# Altium PCB AMC_Single_Panel.PcbDoc (part 4 of 5) (continued)
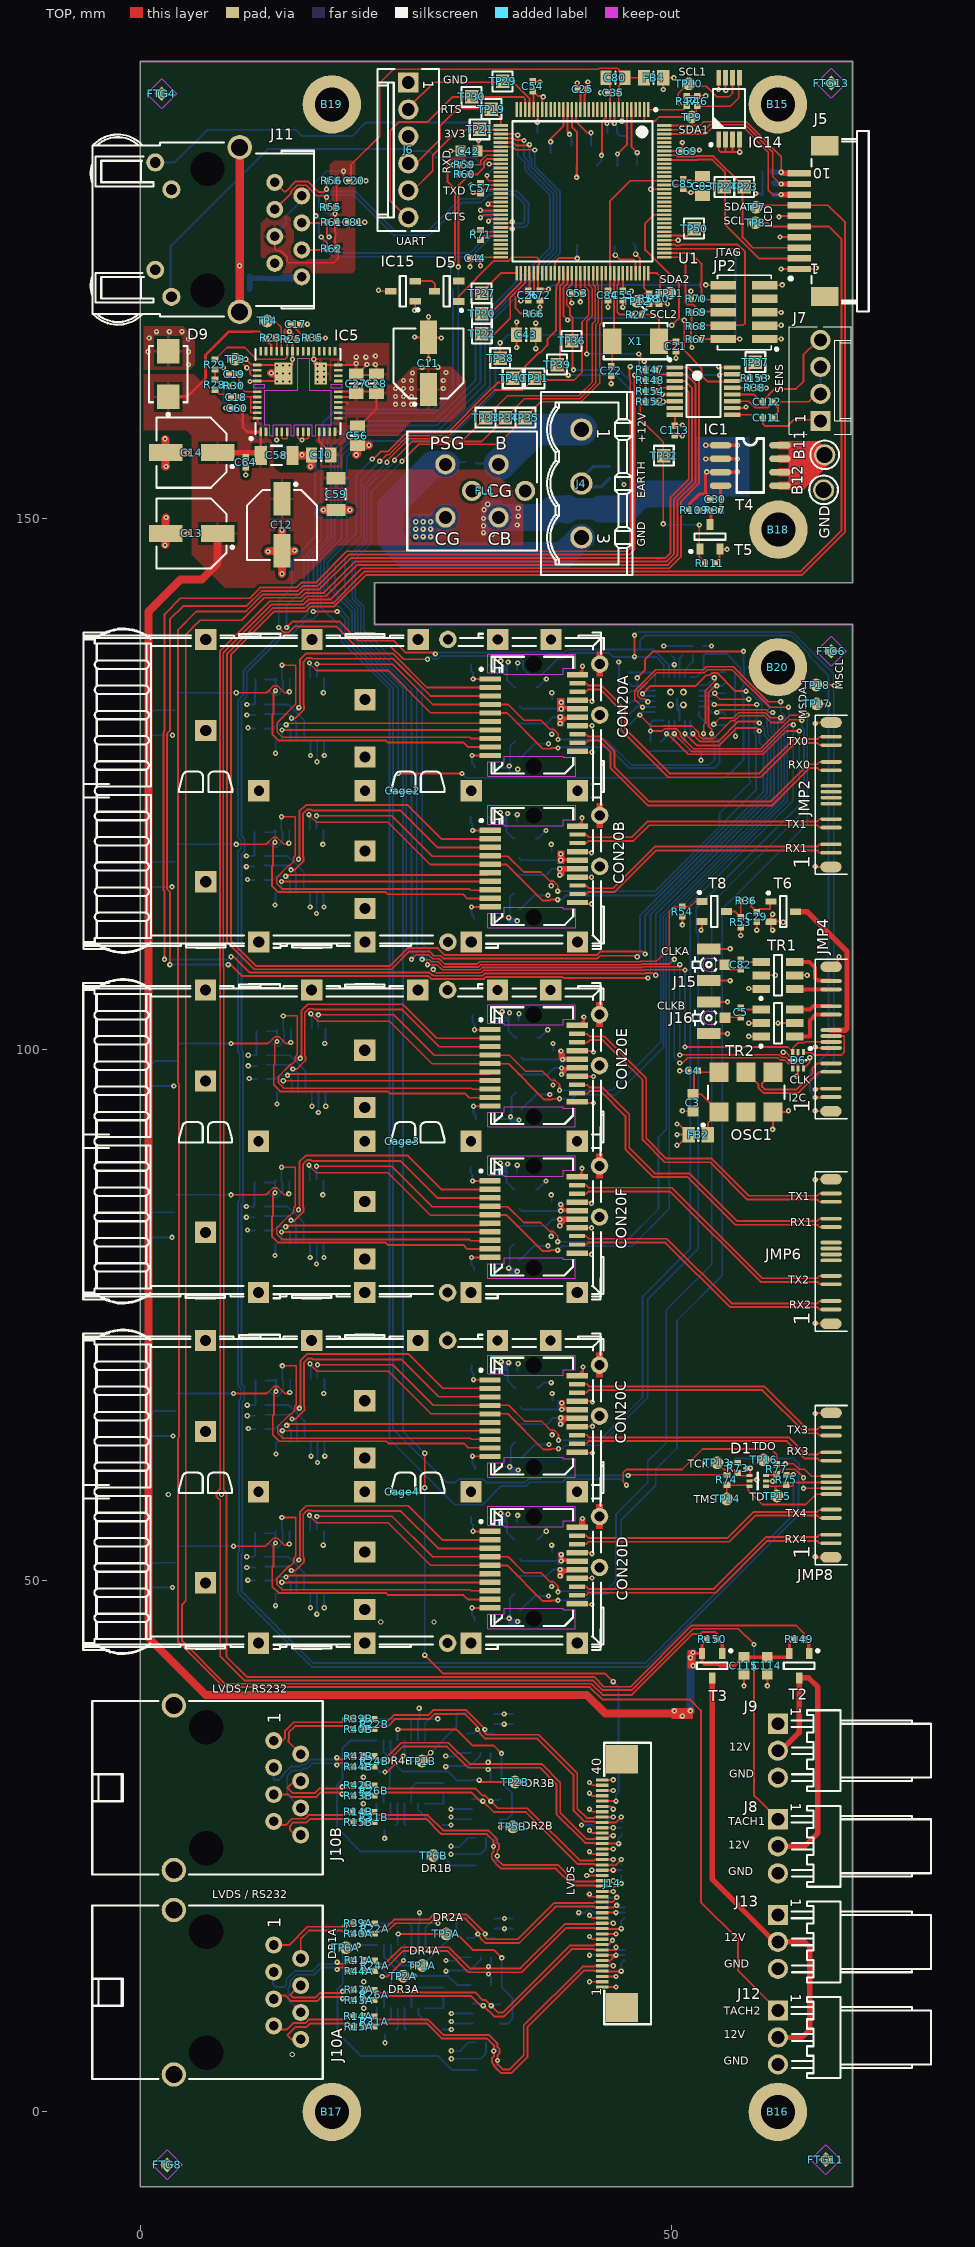
[diagram p0: TOP view]
## Nets (pads, with @x,y where several pads share a name; then routed paths per layer and width w, separated by ;. In a path a pad name is that pad's centre, name@x,y a point inside that pad or via, vN(x,y) a via of type N, cw(c..) or ccw(c..) an arc to the next point about the centre after c; other vN are vias at no path point) (continued)
  TOP w0.178: v1(12.7,133.8) 12.5,133.6 12.5,131.6 12.4,131.5 12.4,129.7 13,129.1 23.1,129.1 23.3,128.9 30.4,128.9 30.805,128.495 CON20A.9@32.9,128.495
  BTM w0.178: v1(12.7,133.8) 12.7,134.7 IC3A.9@12.8,134.8
  BTM w0.2: R51A.1@11.745,134.85 12.625,134.85 IC3A.9@12.725,134.95
RS1RB: CON20B.9 IC3B.9 R51B.1 | length 27.4
  TOP w0.178: v1(12.655,119.526) 12.455,119.326 12.455,117.326 12.355,117.226 12.355,115.426 12.955,114.826 23.055,114.826 23.255,114.626 30.355,114.626 30.76,114.221 CON20B.9@32.855,114.221
  BTM w0.152: R51B.1@11.67,120.475 12.479,120.475 IC3B.9@12.68,120.676
  BTM w0.178: v1(12.655,119.526) 12.655,120.426 IC3B.9@12.755,120.526
RS1RC: CON20C.9 IC3C.9 R51C.1 | length 27.3
  TOP w0.178: v1(12.743,67.83) 12.543,67.63 12.543,65.63 12.443,65.53 12.443,63.73 13.043,63.13 23.143,63.13 23.343,62.93 30.443,62.93 30.848,62.525 CON20C.9@32.943,62.525
  BTM w0.178: R51C.1@11.77,68.85 12.637,68.85 IC3C.9@12.768,68.98 ; v1(12.743,67.83) 12.743,68.73 IC3C.9@12.843,68.83
RS1RD: CON20D.9 IC3D.9 R51D.1 | length 27.4
  TOP w0.178: v1(12.692,53.556) 12.492,53.356 12.492,51.356 12.392,51.256 12.392,49.456 12.992,48.856 23.092,48.856 23.292,48.656 30.392,48.656 30.797,48.251 CON20D.9@32.892,48.251
  BTM w0.152: R51D.1@11.695,54.475 12.672,54.475 12.692,54.456 12.717,54.481 IC3D.9@12.717,54.706
  BTM w0.178: v1(12.692,53.556) IC3D.9@12.692,54.456
RS1RE: CON20E.9 IC3E.9 R51E.1 | length 27.4
  TOP w0.178: v1(12.83,100.776) 12.63,100.576 12.63,98.576 12.53,98.476 12.53,96.676 13.13,96.076 23.23,96.076 23.43,95.876 30.53,95.876 30.935,95.471 CON20E.9@33.03,95.471
  BTM w0.152: R51E.1@11.845,101.725 12.781,101.725 12.83,101.676 12.855,101.701 IC3E.9@12.855,101.926
  BTM w0.178: v1(12.83,100.776) IC3E.9@12.83,101.676
RS1RF: CON20F.9 IC3F.9 R51F.1 | length 27.4
  TOP w0.178: v1(12.655,86.526) 12.455,86.326 12.455,84.326 12.355,84.226 12.355,82.426 12.955,81.826 23.055,81.826 23.255,81.626 30.355,81.626 30.76,81.221 CON20F.9@32.855,81.221
  BTM w0.178: R51F.1@11.67,87.5 12.581,87.5 IC3F.9@12.655,87.426 ; v1(12.655,86.526) IC3F.9@12.655,87.426 ; IC3F.9@12.68,87.676 12.655,87.651 IC3F.9@12.655,87.426
RST: D5.1 JP2.10 R72.2 U1.70 | length 30.2
  TOP w0.178: D5.1@29.95,170.45 29.95,170.95 33.266,174.266 34.657,174.266 34.991,174.6 37.3,174.6 37.5,174.4 37.5,173.907 37.455,173.862 37.455,173.21 U1.70@37.345,173.1 ; U1.70@37.4,173.1 37.4,171.5 R72.2@37.5,171.4 ; R72.2@37.6,171.6 v1(38.4,171.6) ; v1(53.2,172) 53.235,171.965 JP2.10@54.85,171.965
  BTM w0.178: v1(38.4,171.6) 38.8,172 v1(53.2,172)
RTS: J6.2 TP29.1 U1.29 | length 14.1
  TOP w0.178: J6.2@25.4,188.6 25.4,188.853 27.622,191.075 35.078,191.075 36.6,189.553 U1.29@36.6,188.5
RXA_N: CON20A.12 JMP2.10 | length 28.9
  TOP w0.178: CON20A.12@41.1,128.895 41.939,128.895 42.161,129.117 43.108,129.117 44.25,127.975 44.25,126.497 47.747,123 59.483,123 63,126.517 63.705,126.517 63.922,126.3 JMP2.10@65.011,126.3
RXA_P: CON20A.13 JMP2.11 | length 28.9
  TOP w0.178: CON20A.13@41.1,129.695 41.939,129.695 42.161,129.473 43.255,129.473 44.606,128.122 44.606,126.644 47.894,123.356 59.336,123.356 62.853,126.873 63.705,126.873 63.922,127.09 JMP2.11@65.011,127.09
RXB_N: CON20B.12 JMP2.2 | length 25.7
  TOP w0.178: CON20B.12@41.055,114.621 CON20B.12@41.125,114.621 ; CON20B.12@41.125,114.645 41.964,114.645 42.162,114.843 44.647,114.843 48.561,118.757 63.683,118.757 63.9,118.54 JMP2.2@64.989,118.54
RXB_P: CON20B.13 JMP2.3 | length 25.7
  TOP w0.178: CON20B.13@41.055,115.421 CON20B.13@41.125,115.421 ; CON20B.13@41.125,115.445 41.964,115.445 42.21,115.199 44.5,115.199 48.414,119.113 63.683,119.113 63.9,119.33 JMP2.3@64.989,119.33
RXD: J6.4 TP19.1 U1.33 | length 12.7
  TOP w0.178: J6.4@25.2,183.43 25.93,183.43 28.2,185.7 28.2,187 29.8,188.6 32.975,188.6 33.9,187.675 U1.33@33.9,187
SCL1: IC14.6 R47.1 TP10.1 U1.1 | length 13.2
  TOP w0.152: U1.1@47.8,188.5 51.1,188.5 R47.1@51.4,188.8 ; R47.1@51.5,188.9 50.6,188.9 50.6,190 51.3,190.7 53.25,190.7 54.25,189.7 55.4,189.7 55.725,190.025 IC14.6@55.725,191.5
SCL2: R58.1 TP12.1 U1.95 | length 3.7
  TOP w0.178: TP12.1@46.725,170.45 47.445,171.17 R58.1@47.9,171.17 ; U1.95@47.4,173.1 47.4,171.7 R58.1@48,171.1
SDA1: IC14.5 R46.1 TP9.1 U1.2 | length 13
  TOP w0.152: U1.2@47.4,188.5 47.4,187.5 47.5,187.4 48.4,187.4 48.8,187.8 TP9.1@51.9,187.8 52.3,188.2 52.3,188.7 R46.1@52.4,188.8 ; R46.1@52.4,188.83 55.53,188.83 56.3,189.6 56.3,191.3 IC14.5@56.4,191.4
SDA2: R50.1 TP11.1 U1.96 | length 3.9
  TOP w0.178: U1.96@47.8,173.1 48.6,173.1 48.9,172.8 R50.1@48.9,171.2 ; R50.1@48.8,171.17 49.77,171.17 TP11.1@49.825,171.225
SFP1_TX0_N: CON20A.19 JMP2.13 | length 30
  TOP w0.178: CON20A.19@41.1,134.495 41.939,134.495 42.161,134.273 43.397,134.273 45.606,132.064 45.606,130.197 49.803,126 58.25,126 61.493,129.243 63.705,129.243 63.922,129.46 JMP2.13@65.011,129.46
SFP1_TX0_P: CON20A.18 JMP2.12 | length 30
  TOP w0.178: CON20A.18@41.1,133.695 41.939,133.695 42.161,133.917 43.25,133.917 45.25,131.917 45.25,130.05 49.656,125.644 58.397,125.644 61.64,128.887 63.705,128.887 63.922,128.67 JMP2.12@65.011,128.67
SFP2_TX1_N: CON20B.19 JMP2.5 | length 24.7
  TOP w0.178: CON20B.19@41.055,120.221 CON20B.19@41.078,120.198 ; CON20B.19@41.125,120.245 41.964,120.245 42.21,119.999 46.25,119.999 47.734,121.483 63.705,121.483 63.922,121.7 JMP2.5@65.011,121.7
SFP2_TX1_P: CON20B.18 JMP2.4 | length 24.7
  TOP w0.178: CON20B.18@41.055,119.421 CON20B.18@41.125,119.421 ; CON20B.18@41.125,119.445 41.964,119.445 42.162,119.643 46.397,119.643 47.881,121.127 63.705,121.127 63.922,120.91 JMP2.4@65.011,120.91
SFP_VCCRA: C45A.1 C46A.1 CON20A.15 FB5A.2 | length 6.9
  TOP w0.178: v1(39.5,130.7) 39.6,130.7 CON20A.15@40.195,131.295 ; v1(39.5,131.3) 39.505,131.295 CON20A.15@40.195,131.295 ; CON20A.15@41.1,131.295 CON20A.15@40.195,131.295
  BTM w0.178: FB5A.2@35.4,130.7 38.219,130.7 38.819,131.3 v1(39.5,131.3)
SFP_VCCRB: C45B.1 C46B.1 CON20B.15 FB5B.2 | length 6.9
  TOP w0.178: v1(39.455,116.426) 39.555,116.426 CON20B.15@40.15,117.021 ; v1(39.455,117.026) 39.46,117.021 CON20B.15@40.15,117.021 ; CON20B.15@41.055,117.021 CON20B.15@40.15,117.021
  BTM w0.178: FB5B.2@35.355,116.426 38.174,116.426 38.774,117.026 v1(39.455,117.026)
SFP_VCCRC: C45C.1 C46C.1 CON20C.15 FB5C.2 | length 6.9
  TOP w0.178: v1(39.543,64.73) 39.643,64.73 CON20C.15@40.238,65.325 ; v1(39.543,65.33) 39.548,65.325 CON20C.15@40.238,65.325 ; CON20C.15@41.143,65.325 CON20C.15@40.238,65.325
  BTM w0.178: FB5C.2@35.443,64.73 38.261,64.73 38.861,65.33 v1(39.543,65.33)
SFP_VCCRD: C45D.1 C46D.1 CON20D.15 FB5D.2 | length 6.9
  TOP w0.178: v1(39.492,50.456) 39.592,50.456 CON20D.15@40.187,51.051 ; v1(39.492,51.056) 39.497,51.051 CON20D.15@40.187,51.051 ; CON20D.15@41.092,51.051 CON20D.15@40.187,51.051
  BTM w0.178: FB5D.2@35.392,50.456 38.211,50.456 38.811,51.056 v1(39.492,51.056)
SFP_VCCRE: C45E.1 C46E.1 CON20E.15 FB5E.2 | length 6.9
  TOP w0.178: v1(39.63,97.676) 39.73,97.676 CON20E.15@40.325,98.271 ; v1(39.63,98.276) 39.635,98.271 CON20E.15@40.325,98.271 ; CON20E.15@41.23,98.271 CON20E.15@40.325,98.271
  BTM w0.178: FB5E.2@35.53,97.676 38.349,97.676 38.949,98.276 v1(39.63,98.276)
SFP_VCCRF: C45F.1 C46F.1 CON20F.15 FB5F.2 | length 6.9
  TOP w0.178: v1(39.455,83.426) 39.555,83.426 CON20F.15@40.15,84.021 ; v1(39.455,84.026) 39.46,84.021 CON20F.15@40.15,84.021 ; CON20F.15@41.055,84.021 CON20F.15@40.15,84.021
  BTM w0.178: FB5F.2@35.355,83.426 38.174,83.426 38.774,84.026 v1(39.455,84.026)
SFP_VCCTA: C51A.1 C52A.1 CON20A.16 FB6A.2 | length 6.4
  TOP w0.178: v1(39.6,132.1) 39.605,132.095 40.105,132.095 ; v1(39.6,132.7) 39.5,132.7 40.105,132.095 ; CON20A.16@41.1,132.095 40.105,132.095
  BTM w0.178: FB6A.2@35.7,132.3 35.9,132.1 v1(39.6,132.1)
SFP_VCCTB: C51B.1 C52B.1 CON20B.16 FB6B.2 | length 6.4
  TOP w0.178: v1(39.555,117.826) 39.56,117.821 40.06,117.821 ; v1(39.555,118.426) 39.455,118.426 40.06,117.821 ; CON20B.16@41.055,117.821 40.06,117.821
  BTM w0.178: FB6B.2@35.655,118.026 35.855,117.826 v1(39.555,117.826)
SFP_VCCTC: C51C.1 C52C.1 CON20C.16 FB6C.2 | length 6.4
  TOP w0.178: v1(39.643,66.13) 39.648,66.125 CON20C.16@40.148,66.125 ; v1(39.643,66.73) 39.543,66.73 CON20C.16@40.148,66.125 ; CON20C.16@41.143,66.125 CON20C.16@40.148,66.125
  BTM w0.178: FB6C.2@35.743,66.33 35.943,66.13 v1(39.643,66.13)
SFP_VCCTD: C51D.1 C52D.1 CON20D.16 FB6D.2 | length 6.4
  TOP w0.178: v1(39.592,51.856) 39.597,51.851 40.097,51.851 ; v1(39.592,52.456) 39.492,52.456 40.097,51.851 ; CON20D.16@41.092,51.851 40.097,51.851
  BTM w0.178: FB6D.2@35.692,52.056 35.892,51.856 v1(39.592,51.856)
SFP_VCCTE: C51E.1 C52E.1 CON20E.16 FB6E.2 | length 6.6
  TOP w0.178: v1(39.565,99.872) 39.565,99.741 CON20E.16@40.235,99.071 ; v1(39.73,99.076) 39.735,99.071 CON20E.16@40.235,99.071 ; CON20E.16@41.23,99.071 CON20E.16@40.235,99.071
  BTM w0.178: FB6E.2@35.83,99.276 36.03,99.076 v1(39.73,99.076)
SFP_VCCTF: C51F.1 C52F.1 CON20F.16 FB6F.2 | length 6.4
  TOP w0.178: v1(39.555,84.826) 39.56,84.821 40.06,84.821 ; v1(39.555,85.426) 39.455,85.426 40.06,84.821 ; CON20F.16@41.055,84.821 40.06,84.821
  BTM w0.178: FB6F.2@35.655,85.026 35.855,84.826 v1(39.555,84.826)
SMA_CLKA_N: JMP4.12 TR1.6 | length 3.4
  TOP w0.381: TR1.6@61.59,105.73 61.65,105.67 JMP4.12@65.011,105.67
SMA_CLKA_P: JMP4.13 TR1.4 | length 4.8
  TOP w0.381: TR1.4@61.59,108.27 62.98,108.27 63.5,107.75 63.5,106.75 63.75,106.5 64.971,106.5 JMP4.13@65.011,106.46
SMA_CLKB_N: JMP4.10 TR2.6 | length 5.2
  TOP w0.381: TR2.6@61.59,101.23 62.98,101.23 63,101.25 63,102.75 63.55,103.3 JMP4.10@65.011,103.3
SMA_CLKB_P: JMP4.11 TR2.4 | length 3.6
  TOP w0.381: TR2.4@61.59,103.77 63.02,103.77 63.34,104.09 JMP4.11@65.011,104.09
SSI_RX: R77.1 U1.38 | length 186.1
  TOP w0.152: v1(45.75,59) 45.449,59.301 45.449,60.199 45.725,60.475 50.975,60.475 52.9,62.4 59.375,62.4 59.9,61.875 R77.1@59.9,60.97
  TOP w0.178: U1.38@33.9,185 35.023,185 35.298,184.725 v1@37.125,184.725 ; v1(37.1,184.7) v1@37.125,184.725 ; v1@37.2,184.7 37.175,184.725 v1@37.125,184.725
  BTM w0.178: v1(37.1,184.7) 37.1,183.175 39.493,180.782 39.493,175.035 32.9,168.442 32.9,162.474 28.264,157.838 20.9,157.838 18.905,155.843 18.905,148.11 16.96,146.165 16.96,141.664 18.927,139.698 18.927,138.412 23.43,133.908 23.43,63.32 29.595,57.155 32.191,57.155 33.966,58.93 36.283,58.93 36.63,59.277 39.691,59.277 40.009,59.595 45.155,59.595 v1(45.75,59)
SSI_TX: R75.1 U1.37 | length 223.2
  TOP w0.178: U1.37@33.9,185.4 35.076,185.4 35.351,185.125 36.297,185.125 36.372,185.2 v1(36.6,185.2) ; R75.1@60.8,59.97 61.47,59.97 61.45,59.99 v1(61.45,60)
  BTM w0.178: v1(36.6,185.2) 36.6,184.005 36.802,183.803 36.802,183.052 39.173,180.681 39.173,175.167 32.446,168.441 32.446,162.662 28.076,158.292 20.712,158.292 18.583,156.163 18.583,150.227 18.24,149.884 18.24,147.898 16.64,146.298 16.64,141.532 16.725,141.447 16.725,140.975 16.25,140.5 15.624,140.5 14.079,138.955 13.408,138.955 9.995,135.542 9.995,133.271 9.5,132.776 9.5,120.105 9.795,119.81 9.795,118.738 9.48,118.423 9.48,99.952 9.655,99.777 9.655,85.598 9.48,85.423 9.48,68.517 9.75,68.247 9.75,67.014 9.568,66.831 9.568,52.607 9.5,52.539 9.5,49 16.25,42.25 47.5,42.25 61.5,56.25 61.45,56.3 v1(61.45,60)
SW0: J5.10 R63.2 U1.128 | length 16.6
  TOP w0.152: U1.128@49.3,187 52.655,187 53,187.345 57.026,187.345 60.3,184.07 v1@60.3,182.7
  TOP w0.508: v1(60.3,182.6) 60.4,182.5 J5.10@62,182.5
  BTM w0.508: R63.2@59.4,182.7 59.5,182.6 v1(60.3,182.6)
SW1: J5.9 R64.2 U1.127 | length 17.3
  TOP w0.152: U1.127@49.3,186.6 53.1,186.6 53.572,187.072 56.913,187.072 59.5,184.485 59.5,182.2 v1@60.3,181.4
  TOP w0.508: v1(60.3,181.5) J5.9@62,181.5
  BTM w0.508: R64.2@59.6,181.6 59.7,181.5 v1(60.3,181.5)
SW2: J5.8 R65.2 U1.126 | length 18.4
  TOP w0.152: U1.126@49.3,186.2 53.2,186.2 53.8,186.8 56.8,186.8 59.1,184.5 59.1,180.9 59.5,180.5 v1(60.3,180.5)
  TOP w0.508: v1(60.3,180.5) J5.8@62,180.5
  BTM w0.508: R65.2@59.6,180.5 v1(60.3,180.5)
TACH1: IC1.2 J8.1 R147.1 | length 234.8
  TOP w0.178: R147.1@48.5,163.9 48.812,163.588 IC1.2@50.3,163.588 51.313,163.588 52.24,162.66 52.24,153.435 50.54,151.735 50.54,146.535 49.645,145.64 20.39,145.64 17.435,142.685 15.656,142.685 15.191,142.22 12.173,142.22 7.455,137.502 7.455,107.671 7.5,107.626 7.5,58.669 7.144,58.312 7.144,57.923 7.5,57.567 7.5,42.871 9.75,40.621 42.568,40.621 43.484,39.705 46.252,39.705 52.027,45.48 56.27,45.48 v1(57.75,44) ; v1(57.75,41.75) 57.75,29.75 58,29.5 58.04,29.5 J8.1@60,27.54
  BTM w0.178: v1(57.75,41.75) v1(57.75,44)
TACH2: IC1.4 J12.1 R148.1 | length 247.2
  TOP w0.178: R148.1@48.5,162.9 49.082,162.318 IC1.4@50.3,162.318 51.182,162.318 51.6,161.9 51.6,153.7 49.9,152 49.9,146.8 49.38,146.28 19.78,146.28 16.825,143.325 15.391,143.325 14.926,142.86 11.515,142.86 9.905,141.25 5.25,141.25 3.5,139.5 3.5,96.878 3.605,96.773 3.605,63.521 3.5,63.416 3.5,44.284 7.803,39.981 42.303,39.981 43.462,38.822 51.712,38.822 52.75,37.784 52.75,19.75 56.25,16.25 56.25,13.29 J12.1@60,9.54
TCK: JP2.4 R68.2 U1.100 | length 18.9
  TOP w0.178: U1.100@49.3,175.8 50.328,175.8 50.403,175.725 50.797,175.725 50.872,175.8 56.2,175.8 56.9,175.1 56.9,168.4 56.7,168.2 52.9,168.2 R68.2@52.8,168.1
TDI: JP2.8 R70.2 U1.98 | length 9.2
  TOP w0.178: U1.98@49.3,175 51.8,175 52.8,174 52.8,172.272 52.725,172.197 52.725,171.803 52.8,171.728 52.8,170.6 54.3,170.6 JP2.8@54.5,170.8
TDO: JP2.6 R69.2 U1.97 | length 9.1
  TOP w0.178: U1.97@49.3,174.6 50.7,174.6 51.3,174 51.3,170.319 51.449,170.17 52,170.17 52.57,169.6 52.7,169.6 52.7,169.5 JP2.6@54.1,169.5
THERMN: IC1.6 R152.2 TP39.1 U1.76 | length 21.9
  TOP w0.178: U1.76@39.8,173.1 39.8,172.186 39.48,171.866 39.48,164.27 v1(40.25,163.5) ; R152.2@48.5,161 48.548,161.048 IC1.6@50.3,161.048
  BTM w0.178: v1(40.25,163.5) 44.75,163.5 47.35,160.9 49.1,160.9 v1(49.2,161)
TMS: JP2.2 R67.2 U1.99 | length 18.6
  TOP w0.178: U1.99@49.3,175.4 55.8,175.4 56,175.2 v1(56,175) ; R67.2@52.77,166.9 54.835,166.9 JP2.2@54.85,166.885 ; JP2.2@55.2,167 55.3,166.9 v1(56.4,166.9)
  BTM w0.178: v1(56,175) 56,167.3 v1(56.4,166.9)
TXD: J6.5 TP21.1 U1.34 | length 12
  TOP w0.152: J6.5@25.1,180.8 J6.5@25.2,180.8 ; J6.5@25.2,180.89 25.64,180.89 27.5,182.75 27.5,184.2 29.9,186.6 U1.34@33.9,186.6
TXDISABLEA: CON20A.3 IC3A.5 R52A.2 | length 30.3
  TOP w0.178: v1(14.2,131.2) 14.572,131.2 15.375,132.003 15.375,132.397 15.32,132.452 15.32,136.492 15.703,136.875 16.097,136.875 16.172,136.8 23.795,136.8 27.3,133.295 CON20A.3@32.9,133.295
  BTM w0.178: R52A.2@11.7,131.6 13.9,131.6 14.675,130.825 IC3A.5@14.675,129.05
TXDISABLEB: CON20B.3 IC3B.5 R52B.2 | length 30.3
  TOP w0.178: v1(14.155,116.926) 14.527,116.926 15.33,117.729 15.33,118.123 15.275,118.178 15.275,122.218 15.658,122.601 16.052,122.601 16.127,122.526 24.455,122.526 27.96,119.021 CON20B.3@32.855,119.021
  BTM w0.178: R52B.2@11.655,117.326 13.855,117.326 14.63,116.551 IC3B.5@14.63,114.776
TXDISABLEC: CON20C.3 IC3C.5 R52C.2 | length 30.3
  TOP w0.178: v1(14.243,65.23) 14.614,65.23 15.418,66.034 15.418,66.427 15.363,66.482 15.363,70.522 15.746,70.905 16.139,70.905 16.214,70.83 24.543,70.83 28.048,67.325 CON20C.3@32.943,67.325
  BTM w0.178: R52C.2@11.743,65.63 13.943,65.63 14.718,64.855 IC3C.5@14.718,63.08
TXDISABLED: CON20D.3 IC3D.5 R52D.2 | length 30.3
  TOP w0.178: v1(14.192,50.956) 14.564,50.956 15.367,51.759 15.367,52.152 15.312,52.207 15.312,56.247 15.695,56.631 16.089,56.631 16.164,56.556 24.492,56.556 27.997,53.051 CON20D.3@32.892,53.051
  BTM w0.178: R52D.2@11.692,51.356 13.892,51.356 14.667,50.581 IC3D.5@14.667,48.806
TXDISABLEE: CON20E.3 IC3E.5 R52E.2 | length 30.3
  TOP w0.178: v1(14.33,98.176) 14.702,98.176 15.505,98.979 15.505,99.373 15.45,99.428 15.45,103.468 15.833,103.851 16.227,103.851 16.302,103.776 24.63,103.776 28.135,100.271 CON20E.3@33.03,100.271
  BTM w0.178: R52E.2@11.83,98.576 14.03,98.576 14.805,97.801 IC3E.5@14.805,96.026
TXDISABLEF: CON20F.3 IC3F.5 R52F.2 | length 30.3
  TOP w0.178: v1(14.155,83.926) 14.527,83.926 15.33,84.729 15.33,85.123 15.275,85.178 15.275,89.218 15.658,89.601 16.052,89.601 16.127,89.526 24.455,89.526 27.96,86.021 CON20F.3@32.855,86.021
  BTM w0.178: R52F.2@11.655,84.326 13.855,84.326 14.63,83.551 IC3F.5@14.63,81.776
TXFAULTA: CON20A.2 IC3A.4 R89A.1 | length 30.4
  TOP w0.178: v1(14.9,132.2) 15,132.3 15,136.7 15.6,137.3 23.747,137.3 26.952,134.095 CON20A.2@32.9,134.095
  BTM w0.178: R89A.1@11.72,132.5 13.9,132.5 14.5,131.9 ; v1(14.9,132.2) 14.6,131.9 14.5,131.9 ; IC3A.4@15.4,129.4 15.4,131 14.5,131.9
TXFAULTB: CON20B.2 IC3B.4 R89B.1 | length 30.4
  TOP w0.178: v1(14.855,117.926) 14.955,118.026 14.955,122.426 15.555,123.026 25.155,123.026 28.36,119.821 CON20B.2@32.855,119.821
  BTM w0.178: R89B.1@11.675,118.226 13.855,118.226 14.455,117.626 ; v1(14.855,117.926) 14.555,117.626 14.455,117.626 ; IC3B.4@15.355,115.126 15.355,116.726 14.455,117.626
TXFAULTC: CON20C.2 IC3C.4 R89C.1 | length 30.4
  TOP w0.178: v1(14.943,66.23) 15.043,66.33 15.043,70.73 15.643,71.33 25.243,71.33 28.448,68.125 CON20C.2@32.943,68.125
  BTM w0.178: R89C.1@11.763,66.53 13.943,66.53 14.543,65.93 ; v1(14.943,66.23) 14.643,65.93 14.543,65.93 ; IC3C.4@15.443,63.43 15.443,65.03 14.543,65.93
TXFAULTD: CON20D.2 IC3D.4 R89D.1 | length 30.4
  TOP w0.178: v1(14.892,51.956) 14.992,52.056 14.992,56.456 15.592,57.056 25.192,57.056 28.397,53.851 CON20D.2@32.892,53.851
  BTM w0.178: R89D.1@11.712,52.256 13.892,52.256 14.492,51.656 ; v1(14.892,51.956) 14.592,51.656 14.492,51.656 ; IC3D.4@15.392,49.156 15.392,50.756 14.492,51.656
TXFAULTE: CON20E.2 IC3E.4 R89E.1 | length 30.4
  TOP w0.178: v1(15.03,99.176) 15.13,99.276 15.13,103.676 15.73,104.276 24.685,104.276 27.89,101.071 CON20E.2@33.03,101.071
  BTM w0.178: R89E.1@11.85,99.476 14.03,99.476 14.63,98.876 ; v1(15.03,99.176) 14.73,98.876 14.63,98.876 ; IC3E.4@15.53,96.376 15.53,97.976 14.63,98.876
TXFAULTF: CON20F.2 IC3F.4 R89F.1 | length 30.4
  TOP w0.178: v1(14.855,84.926) 14.955,85.026 14.955,89.426 15.555,90.026 25.155,90.026 28.36,86.821 CON20F.2@32.855,86.821
  BTM w0.178: R89F.1@11.675,85.226 13.855,85.226 14.455,84.626 ; v1(14.855,84.926) 14.555,84.626 14.455,84.626 ; IC3F.4@15.355,82.126 15.355,83.726 14.455,84.626
pads on no net: B15.1 B16.1 B17.1 B19.1 B20.1 CON20A.MTG1 CON20A.MTG2 CON20B.MTG1 CON20B.MTG2 CON20C.MTG1 CON20C.MTG2 CON20D.MTG1 CON20D.MTG2 CON20E.MTG1 CON20E.MTG2 CON20F.MTG1 CON20F.MTG2 D5.2 D6.4 FTG3.1 FTG4.1 FTG6.1 FTG8.1 FTG9.1 FTG10.1 FTG11.1 FTG12.1 FTG13.1 IC1.7 IC3A.12 IC3A.13 IC3B.12 IC3B.13 IC3C.12 IC3C.13 IC3D.12 IC3D.13 IC3E.12 IC3E.13 IC3F.12 IC3F.13 IC5.23 IC5.24 IC5.25 IC5.27 IC5.28 IC5.29 IC5.30 IC5.32 IC5.33 IC5.34 IC5.40 IC5.41 J5.P1 J5.P2 J9.1 J10A.M1 J10A.M2 J10B.M1 J10B.M2 J11.7 J11.M1 J11.M2 J13.1 J14. JMP2.6 JMP2.7 JMP2.8 JMP2.9 JMP6.6 JMP6.7 JMP6.8 JMP6.9 JP2.7 LD1A.3 LD1B.3 LD1C.3 LD1D.3 LD1E.3 LD1F.3 OSC1.2 U1.3 U1.4 U1.12 U1.13 U1.14 U1.15 U1.22 U1.23 U1.24 U1.25 U1.31 U1.32 U1.43 U1.44 U1.45 U1.49 U1.50 U1.60 U1.61 U1.62 U1.63 U1.71 U1.72 U1.73 U1.86 U1.91 U1.92 U1.103 U1.104 U1.105 U1.106 U1.108 U1.109 U1.110 U1.111 U1.112 U1.116 U1.117 U1.118 U1.119 U1.123 U1.124 U1.125

## Polygon pours and split planes (outlines as drawn)
AVDDT_PHY on TOP "Top-No Net" (solid, remove dead copper, pour order 81): 20.2,183.5 20.2,173.4 19.9,173.1 17.1,173.1 12.9,173.1 11.6,174.4 11.3,174.7 11.3,176.4 11.3,177.8 11.9,178.4 12,178.5 13.9,178.5 14.3,178.1 14.4,178 14.4,175.9 14.4,175.2 15.1,174.5 15.2,174.4 17.1,174.4 17.6,174.4 17.9,174.7 17.8,174.8 17.8,175.8 17.8,183.3 18.1,183.6 18.2,183.7 19.8,183.7 20.1,183.7 20.2,183.6
GND on TOP "Top-No Net" (solid, remove dead copper, pour order 79): 16.3,166.5 23.4,166.5 23.4,162.7 23.2,162.5 20.1,162.5 16,162.5 15.9,162.6 15.9,165.2 15.9,166.1 16.3,166.5
P3V3 on TOP "Top-No Net" (solid, remove dead copper, pour order 73): 18.3,162.5 18.4,162.6 21.1,162.6 23.9,162.6 24.9,163.6 25.6,164.3 27.7,164.3 29.3,164.3 29.9,163.7 30.6,163 30.6,162.3 30.6,160.4 30,159.8 29.3,159.1 28.1,159.1 25.5,159.1 24.5,158.1 24.2,157.8 21.1,157.8 19.9,157.8 19.4,157.3 19,156.9 18,156.9 19,156.9 19,154.8 16.9,154.8 16.9,156.9 16.6,157.2 16.5,157.3 16.5,158.8 17.7,158.8 17.9,159 18,159.1 18,159.7 18,162.3 18.3,162.6
P12V on TOP "Top-No Net" (solid, remove dead copper, pour order 75): -0.1,163.6 5,163.6 5.4,163.2 7.7,160.9 9.4,160.9 10,160.9 10.3,160.6 10.3,160 11.9,160 12,159.9 12.5,159.4 12.5,154.9 13.1,154.3 16.4,154.3 16.7,154.6 33.1,154.6 36,151.7 36,148.4 36,147.5 20.5,147.5 18.5,147.5 14.5,143.5 7.9,143.5 5,146.4 4.8,146.6 4.8,147.5 4.8,157.8 4.4,158.2 4.3,158.3 2.4,158.3 0.1,158.3 -0.1,158.5
GND on TOP "Top-No Net" (solid, remove dead copper, pour order 77): -0.1,164 4.6,164 4.9,164.3 5.1,164.5 5.1,167 4.2,167.9 4,168.1 0,168.1
GND on GND (split plane): 66.541,174.092 66.503,174 66.54,174 66.539,173.989 66.539,144.46 22.05,144.46 21.951,144.45 21.855,144.421 21.767,144.374 21.689,144.311 21.626,144.233 21.579,144.145 21.55,144.049 21.54,143.95 21.54,140.05 21.55,139.951 21.579,139.855 21.626,139.767 21.689,139.689 21.767,139.626 21.855,139.579 21.951,139.55 22.05,139.54 66.54,139.54 66.54,-6.54 0.46,-6.54 0.46,192.54 66.541,192.54
P3V3 on PWR (split plane): 66.541,174.092 66.503,174 66.54,174 66.539,173.989 66.539,144.46 22.05,144.46 21.951,144.45 21.855,144.421 21.767,144.374 21.689,144.311 21.626,144.233 21.579,144.145 21.55,144.049 21.54,143.95 21.54,140.05 21.55,139.951 21.579,139.855 21.626,139.767 21.689,139.689 21.767,139.626 21.855,139.579 21.951,139.55 22.05,139.54 66.54,139.54 66.54,-6.54 0.46,-6.54 0.46,192.54 66.541,192.54

## Keep-outs
Keep-Out Layer:
  lines w0.1: 67.001,174 67.001,193.001 67,193 ; 67,193 0,193 0,144 0,140 0,-6.95 0,-7 66.999,-7 67,-6.999 67,140 22,140 22,144 66.999,144 66.999,193

## Other copper
TOP:
  rectangle net P12V: 51.5,41.75 52.25,43.5
  rectangle net P12V: 50,37 52,38
  rectangle net SFP_VCCRA: 39.2,130.4 39.8,131.6
  rectangle net SFP_VCCTA: 39.2,131.8 39.9,133.1
  rectangle net AMC_PWR: 61,153.3 62.6,156.8
  rectangle net AMC_PWR: 62.1,154.7 64.1,156.9
  rectangle net SFP_VCCTB: 39.25,117.5 39.9,118.75
  rectangle net SFP_VCCRB: 39.25,116.325 39.9,117.275
  rectangle net SFP_VCCTB: 39.56,117.821 40.25,118.05
  rectangle net SFP_VCCRB: 39.525,116.75 40.125,117.275
  rectangle net SFP_VCCRA: 39.55,131.025 40.195,131.295
  rectangle net SFP_VCCTA: 39.605,132.095 40.2,132.35
  rectangle net SFP_VCCRE: 39.63,97.825 39.975,98.276
  rectangle net SFP_VCCRE: 39.875,98.025 40.325,98.271
  rectangle net SFP_VCCTE: 39.735,99.071 40.4,99.325
  rectangle net SFP_VCCTE: 39.63,98.95 39.95,99.676
  rectangle net SFP_VCCTF: 39.455,84.7 39.8,85.426
  rectangle net SFP_VCCTF: 39.56,84.821 40.3,85.05
  rectangle net SFP_VCCRF: 39.325,83.775 40.175,84.275
  rectangle net SFP_VCCRF: 39.275,83.275 39.775,84.125
  rectangle net SFP_VCCRC: 39.35,64.65 39.875,65.55
  rectangle net SFP_VCCRC: 39.725,65.05 40.225,65.575
  rectangle net SFP_VCCTC: 39.648,66.125 40.275,66.375
  rectangle net SFP_VCCTC: 39.5,65.975 39.9,67.025
  rectangle net GND: 41.275,55.051 41.875,55.975
  rectangle net SFP_VCCTD: 39.325,51.65 39.85,52.7
  rectangle net SFP_VCCTD: 39.597,51.851 40.3,52.075
  rectangle net SFP_VCCRD: 39.375,50.75 40.187,51.051
  rectangle net SFP_VCCRD: 39.25,50.225 39.8,51.3
  rectangle net GND: 44.35,14.45 44.6,14.75
  rectangle net SFP_VCCRB: 39.525,116.75 40.35,117.3
  rectangle net SFP_VCCTE: 39.34,99.071 39.825,99.95
BTM:
  rectangle net P12V: 51.5,41.75 52.25,43.5
  rectangle net P12V: 50,37 52,38
  rectangle net SFP_VCCTA: 39.3,131.8 39.9,133.1
  rectangle net SFP_VCCRA: 39.3,130.5 39.9,131.6
  rectangle net P12V: 52.3,152.1 57.3,157.7
  rectangle net SFP_VCCRD: 39.25,50.25 39.75,51.25
  rectangle net SFP_VCCTD: 39.25,51.5 39.75,52.75
  rectangle net SFP_VCCRC: 39.25,64.5 39.75,65.5
  rectangle net SFP_VCCTC: 39.25,66 39.75,67
  rectangle net SFP_VCCRF: 39.25,83.25 39.75,84.25
  rectangle net SFP_VCCTF: 39.25,84.75 39.75,85.75
  rectangle net SFP_VCCRE: 39.5,97.5 40,98.5
  rectangle net SFP_VCCTE: 39.5,98.75 40,100
  rectangle net SFP_VCCRB: 39.25,116.25 39.75,117.25
  rectangle net SFP_VCCTB: 39.25,117.5 39.75,118.5
  rectangle net P3V3: 34.655,111.75 35.5,112.426
  rectangle net P3V3: 34.83,93 35.75,93.676
  rectangle net P3V3: 33.855,88.526 34.455,89.326
  rectangle net P3V3: 34.655,78.75 35.5,79.426
  rectangle net P3V3: 33.943,69.78 34.593,70.63
  rectangle net P3V3: 34.743,60 35.5,60.73
  rectangle net P3V3: 33.892,55.556 34.492,56.356
  rectangle net P3V3: 34.692,45.75 35.5,46.456
  rectangle net P12V: 32.056,148.35 34.025,151.744
GND (plane layer: these items are gaps in the copper):
  rectangle: 24.75,160.75 25.5,163
  rectangle: 24,160.75 24.75,162.25

## Silkscreen, mask and mechanical layers (free items; w line width, h text height)
Top Overlay:
  circle w0.254: c59.875,165.95 r0.125
  lines w0.2: 47.2,169.925 47.465,169.66 47.61,169.66
  text "SCL1" at 50.675,191.7 h0.76
  text "GND" at 28.5,190.95 h0.76
  text "RTS" at 28.275,188.175 h0.76
  text "SDA1" at 50.65,186.225 h0.76
  text "3V3" at 28.575,185.85 h0.76
  text "RXD" at 29.175,182.45 h0.76 r90
  text "TXD" at 28.475,180.475 h0.76
  text "SDA" at 54.925,179 h0.76
  text "CTS" at 28.65,178.05 h0.76
  text "SCL" at 54.9,177.675 h0.76
  text "LCD" at 59.475,177.375 h0.76 r90
  text "UART" at 24.075,175.725 h0.76
  text "JTAG" at 54.125,174.7 h0.76
  text "SDA2" at 48.85,172.175 h0.76
  text "SCL2" at 47.925,168.875 h0.76
  text "SENS" at 60.5,161.8 h0.76 r90
  text "+12V" at 47.575,157.1 h0.76 r90
  text "EARTH" at 47.5,151.9 h0.76 r90
  text "GND" at 64.9,148.1 h1 r90
  text "GND" at 47.525,147.325 h0.76 r90
  text "MSCL" at 66.125,133.875 h0.76 r90
  text "MSDA" at 62.7,131.125 h0.76 r90
  text "TX0" at 60.875,128.65 h0.76
  text "RX0" at 60.975,126.425 h0.76
  text "TX1" at 60.725,120.85 h0.76
  text "RX1" at 60.675,118.575 h0.76
  text "CLKA" at 49,108.875 h0.76
  text "CLKB" at 48.625,103.775 h0.76
  text "CLK" at 61.125,96.8 h0.76
  text "I2C" at 61.025,95.1 h0.76
  text "TX1" at 61,85.825 h0.76
  text "RX1" at 61.15,83.375 h0.76
  text "TX2" at 60.975,77.95 h0.76
  text "RX2" at 61.05,75.625 h0.76
  text "TX3" at 60.875,63.825 h0.76
  text "TDO" at 57.6,62.275 h0.76
  text "RX3" at 60.85,61.825 h0.76
  text "TCK" at 51.5,60.625 h0.76
  text "TDI" at 57.325,57.525 h0.76
  text "TMS" at 52.075,57.3 h0.76
  text "TX4" at 60.725,55.975 h0.76
  text "RX4" at 60.625,53.525 h0.76
  text "LVDS / RS232" at 6.725,39.475 h0.76
  text "12V" at 55.425,33.975 h0.76
  text "DR4B" at 22.725,32.675 h0.76
  text "GND" at 55.425,31.475 h0.76
  text "DR3B" at 36.125,30.575 h0.76
  text "TACH1" at 55.3,26.975 h0.76
  text "DR2B" at 35.95,26.575 h0.76
  text "12V" at 55.325,24.75 h0.76
  text "DR1B" at 26.4,22.55 h0.76
  text "GND" at 55.325,22.25 h0.76
  text "LVDS" at 40.875,20.375 h0.76 r90
  text "LVDS / RS232" at 6.75,20.125 h0.76
  text "DR2A" at 27.5,17.925 h0.76
  text "12V" at 54.95,16.075 h0.76
  text "DR4A" at 25.3,14.775 h0.76
  text "DR1A" at 18.4,14.35 h0.76 r90
  text "GND" at 54.95,13.575 h0.76
  text "DR3A" at 23.325,11.175 h0.76
  text "TACH2" at 54.875,9.15 h0.76
  text "12V" at 54.9,6.925 h0.76
  text "GND" at 54.9,4.425 h0.76